# Altium PCB PCBV3.PcbDoc (part 3 of 3)
Units mm, origin at the board's own origin, x right, y up, seen from the top; angles counter-clockwise.
Board outline 120.86 x 117.6 mm, 2 copper layers (L1_Top, L14_Bot), stack 1.671 mm thick; 192 components, 120 nets, 529 pads, 244 vias.
Unrouted connection lines stored in the file: 121.
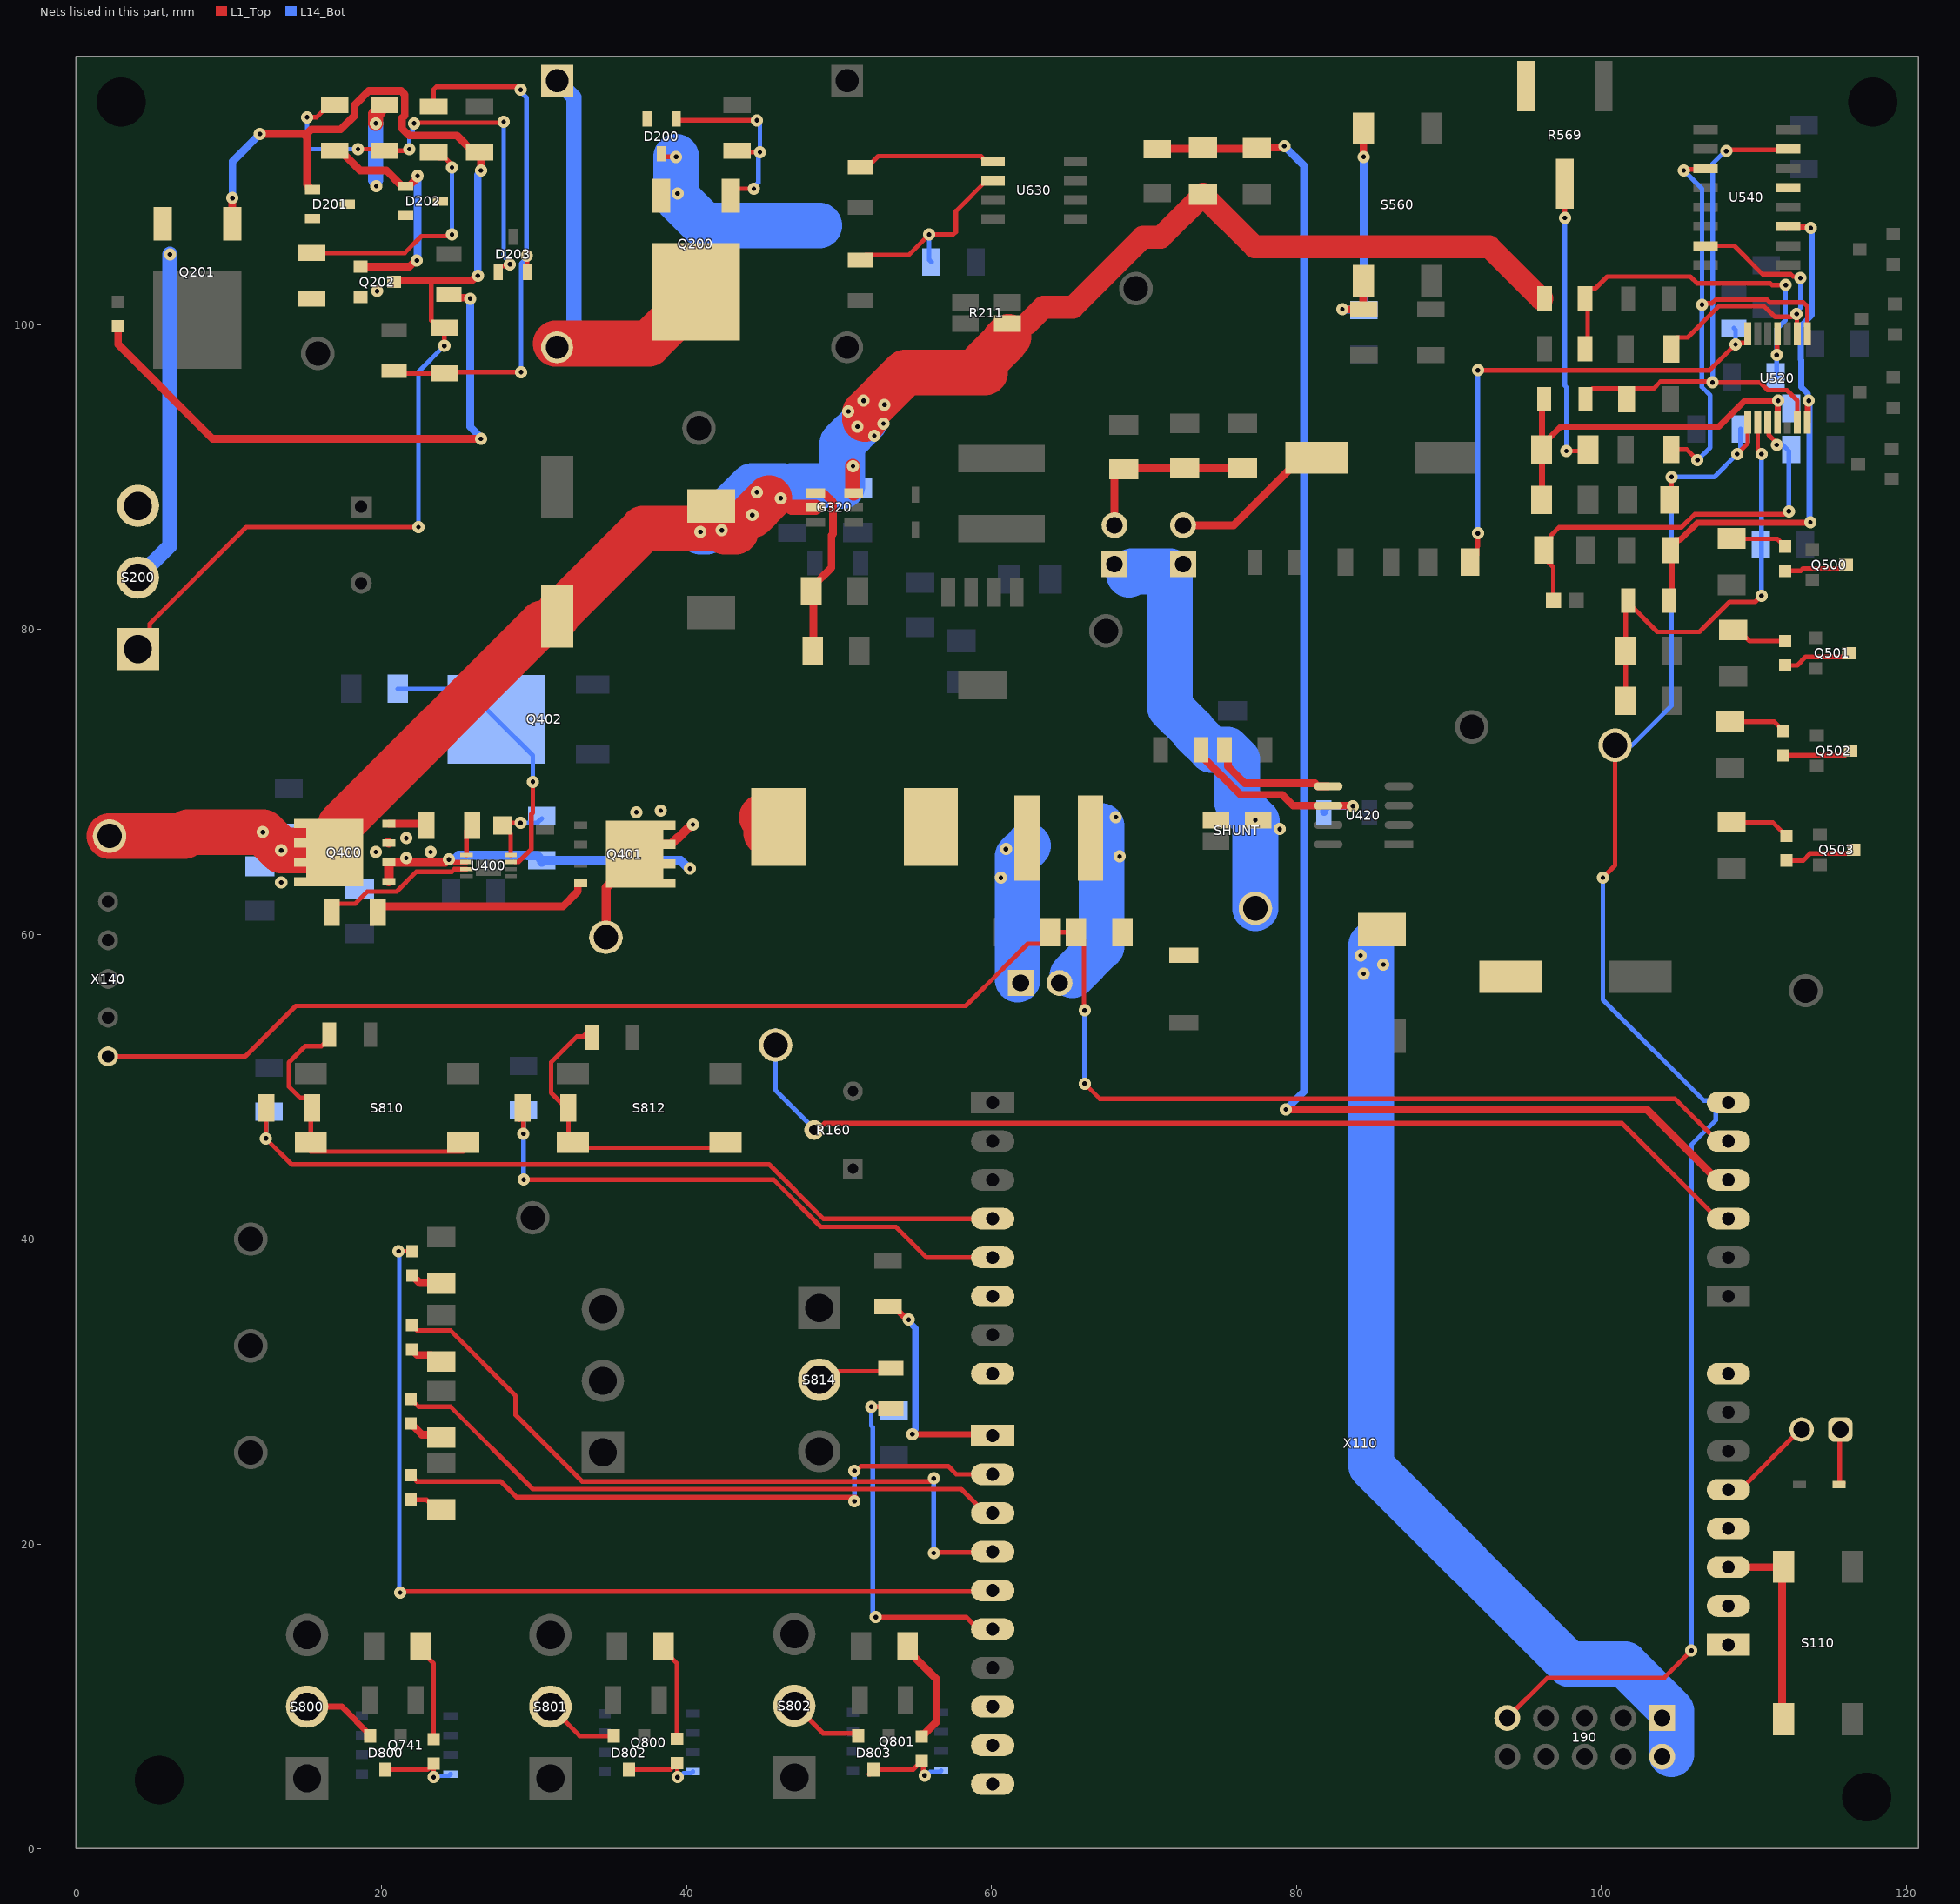
[diagram p3: the nets of this part, all layers, seen from the top]

## Via types
v1: diameter 0.8, hole 0.3, L1_Top to L14_Bot, tented both sides, 244 vias

## Nets (pads, with @x,y where several pads share a name; then routed paths per layer and width w, separated by ;. In a path a pad name is that pad's centre, name@x,y a point inside that pad or via, vN(x,y) a via of type N, cw(c..) or ccw(c..) an arc to the next point about the centre after c; other vN are vias at no path point) (continued)
NetC500_1: C500.1 R507.2 S560.1 S560.2 | length 17.7
  L1_Top w0.5: v1(83,101) 83.006,100.994 84.399,100.994 R507.2@84.405,100.988 ; S560.1@83.927,102.063 S560.1@83.927,102.7 ; R507.2@84.03,100.988 R507.2@84.405,100.988 ; S560.1@84.377,102.863 84.377,101.015 R507.2@84.405,100.988 ; S560.2@84.377,112.863 84.389,112.851 84.389,111.011 v1(84.4,111)
  L14_Bot w0.5: v1(83,101) 83.031,100.969 84.374,100.969 C500.1@84.405,100.938 84.405,110.995 v1(84.4,111)
NetC506_1: C506.1 R506.2 U520.7 | length 32.9
  L1_Top w0.3: R506.2@91.379,84.41 91.854,84.885 91.854,85.404 91.9,85.45 v1(91.9,86.3) ; v1(91.9,97) 107.1,97 108.89,98.79 109.527,98.79 109.602,98.865 U520.7@109.602,99.39
  L14_Bot w0.3: v1(91.9,86.3) v1(91.9,97) ; C506.1@108.683,99.762 108.8,99.645 v1(108.8,98.7)
NetC521_2: C521.2 R510.1 R511.2 U520.4 | length 25.2
  L1_Top w0.3: R510.1@98.926,101.7 98.926,102.051 99.254,102.379 99.604,102.379 100.375,103.15 105.829,103.15 106.279,102.7 111.087,102.7 111.192,102.595 v1(112.087,102.595) ; R511.2@99.1,98.4 R510.1@99.1,101.7 ; v1(111.5,98) 111.526,98.026 111.526,99.364 U520.4@111.552,99.39
  L14_Bot w0.3: C521.2@111.436,96.554 111.5,96.618 v1(111.5,98) 111.5,99.7 112.083,100.283 112.083,102.591 v1(112.087,102.595)
NetC600_1: C600.1 R611.1 U420.6 | length 13.9
  L1_Top w0.5: R611.1@73.726,72.1 73.726,71.749 76.325,69.15 79.067,69.15 79.782,68.435 U420.6@82.084,68.435 82.086,68.433 83.667,68.433 v1(83.7,68.4)
  L14_Bot w0.5: C600.1@81.8,68 81.8,68.15 82.05,68.4 v1(83.7,68.4)
NetC630_2: C630.2 R636.1 U630.6 | length 13.5
  L1_Top w0.3: R636.1@51.4,104.226 51.728,104.554 54.554,104.554 v1(55.9,105.9) 57.474,105.9 57.65,106.076 57.65,107.434 59.65,109.435 U630.6@60.088,109.435
  L14_Bot w0.3: v1(55.9,105.9) 55.9,104.25 C630.2@56.05,104.1
NetC710_2: C710.2 C711.2 C712.2 J710.2 | length 11.9
  L1_Top w0.5: J710.2@68.06,86.83 68.06,90.51 68.11,90.56 75.81,90.56 C711.2@76.097,90.847
NetC715_1: C715.1 J715.2 | length 11.6
  L1_Top w0.3: C715.1@80.31,90.66 C715.1@81.31,90.66
  L1_Top w0.5: J715.2@72.56,86.83 75.88,86.83 80.31,91.26 C715.1@81.31,91.26
NetD112_1: D112.1 P110.1 | length 3.9
  L1_Top w0.3: P110.1@115.67,27.5 115.635,27.465 115.635,23.935 D112.1@115.6,23.9 115.775,23.9 D112.1@115.875,24
NetD200_2: D200.2
NetD201_2: D201.2
NetD202_2: D202.2
NetD210_1: D210.1 R210.2 | length 38.6
  L1_Top w0.5: D210.1@2.7,99.9 2.7,98.7 8.9,92.5 v1(26.5,92.5) ; R210.2@24.399,101.975 24.617,101.757 25.743,101.757 v1(25.8,101.7)
  L14_Bot w0.5: v1(25.8,101.7) 25.8,93.281 26.5,92.581 v1(26.5,92.5)
NetD502_1: D502.1 R552.2 | length 3.7
  L1_Top w0.3: R552.2@108.64,79.94 109.015,79.94 109.715,79.24 D502.1@112.04,79.24
NetD502_2: D502.2 Q501.3 | length 4.5
  L1_Top w0.3: D502.2@112.04,77.64 112.84,77.64 113.4,78.2 116,78.2 Q501.3@116.24,78.44
NetD503_1: D503.1 R553.2 | length 3.7
  L1_Top w0.3: R553.2@108.44,73.94 111.34,73.94 D503.1@111.94,73.34
NetD503_2: D503.2 Q502.3 | length 4.5
  L1_Top w0.3: D503.2@111.94,71.74 115.99,71.74 116.29,72.04 Q502.3@116.34,72.04
NetD504_1: D504.1 R554.2 | length 4
  L1_Top w0.3: R554.2@108.54,67.34 111.24,67.34 D504.1@112.14,66.44
NetD504_2: D504.2 Q503.3 | length 4.7
  L1_Top w0.3: D504.2@112.14,64.84 113.24,64.84 113.7,65.3 116.3,65.3 Q503.3@116.54,65.54
NetD550_1: D550.1 R551.2 | length 3.7
  L1_Top w0.3: R551.2@108.54,85.94 111.54,85.94 D550.1@112.04,85.44
NetD550_2: D550.2 Q500.3 | length 4.2
  L1_Top w0.3: D550.2@112.04,83.84 113.06,83.84 113.22,84 115.8,84 Q500.3@116.04,84.24
NetD741_1: D741.1 R800.2 | length 6.5
  L1_Top w0.3: R800.2@22.521,13.281 22.521,13.031 23.404,12.147 D741.1@23.404,7.196
NetD741_2: D741.2 D800.3 Q741.4 | length 5.4
  L1_Top w0.3: D800.3@20.246,5.2 23.007,5.2 D741.2@23.404,5.596 23.402,5.594 23.402,4.702 v1(23.4,4.7)
  L14_Bot w0.3: v1(23.4,4.7) 23.496,4.796 24.394,4.796 Q741.4@24.494,4.895
NetD801_1: D801.1 R801.2 | length 2.2
  L1_Top w0.3: D801.1@21.9,22.9 22.925,22.9 23.525,22.3 R801.2@23.9,22.3
NetD802_3: D802.3 D804.2 Q800.4 | length 5.5
  L1_Top w0.3: D802.3@36.206,5.15 D802.3@36.206,5.2 38.937,5.2 D804.2@39.364,5.627 39.382,5.609 39.382,4.718 v1(39.4,4.7)
  L14_Bot w0.3: v1(39.4,4.7) 39.535,4.7 39.795,4.96 40.3,4.96 Q800.4@40.4,5.06
NetD803_3: D803.3 D805.2 Q801.4 | length 6.1
  L1_Top w0.3: D803.3@51.956,4.9 52.006,4.9 52.256,5.15 D803.3@52.256,5.2 54.852,5.2 D805.2@55.414,5.762 55.507,5.67 55.507,4.893 v1(55.6,4.8)
  L14_Bot w0.3: v1(55.6,4.8) 55.735,4.8 55.965,5.03 56.6,5.03 Q801.4@56.7,5.13
NetD804_1: D804.1 R802.2 | length 6.4
  L1_Top w0.3: R802.2@38.481,13.281 38.481,13.031 39.364,12.147 D804.1@39.364,7.227
NetD805_1: D805.1 R803.2 | length 7
  L1_Top w0.5: R803.2@54.481,13.135 54.481,13.031 56.4,11.112 56.4,8.348 55.564,7.512 55.41,7.512 D805.1@55.356,7.459
NetD806_1: D806.1 R804.2 | length 2.3
  L1_Top w0.5: D806.1@21.9,27.9 22.63,27.17 23.63,27.17 R804.2@23.8,27
NetD807_1: D807.1 R805.2 | length 2.2
  L1_Top w0.5: D807.1@22,32.719 22.319,32.4 23.225,32.4 23.625,32 R805.2@23.9,32
NetD808_1: D808.1 R806.2 | length 2.1
  L1_Top w0.5: D808.1@22,37.6 22.5,37.1 R806.2@23.9,37.1
NetG320_4: G320.4 R321.1 R332.2 | length 11.7
  L1_Top w0.5: R332.2@48.312,78.662 48.312,82.438 48.25,82.5 48.25,82.8 49.5,84.05 49.5,86.164 49.6,86.264 49.6,88.341 49.041,88.9 48.5,88.9 G320.4@48.45,88.95
NetJ421_1: J421.1 L420.2 L421.1 | length 9.3
  L1_Top w3: L420.2@56.008,67.027 L420.2@56.158,67.177
  L14_Bot w3: J421.1@61.7,57.016 61.7,65.1 62.4,65.8
  other v1: 60.6,63.7 60.936,65.584
NetJ421_2: J421.2 L421.2 SHUNT.1 | length 10.6
  L14_Bot w3: 65.3,57.3 67.2,59.2 67.2,67.1
  other v1: 68.4,65.1 68.153,67.676
NetP110_2: P110.2 X110.5A | length 6.4
  L1_Top w0.3: X110.5A@108.33,23.552 109.112,23.552 113.06,27.5 P110.2@113.13,27.5
NetQ400_4: Q400.4 R400.1 | length 2.7
  L1_Top w0.5: Q400.4@20.637,67.254 Q400.4@20.462,67.254 22.823,67.254 R400.1@22.925,67.152
NetQ401_4: Q401.4 R401.1 | length 14.5
  L1_Top w0.5: R401.1@19.726,61.449 19.726,61.549 20.001,61.824 31.875,61.824 32.863,62.812 32.863,63.344 Q401.4@33.038,63.344
NetQ402_2: Q402.2 R402.2 U400.7 | length 18.3
  L1_Top w0.3: U400.7@28.704,64.739 28.971,64.739 29.8,65.567 29.8,67.873 29.9,67.973 v1(29.9,70)
  L14_Bot w0.3: R402.2@21.05,76.1 25.52,76.1 Q402.2@27.52,74.1 29.9,71.72 v1(29.9,70)
NetR112_2: R112.2 X110.1C | length 14.8
  L1_Top w0.4: R112.2@53.2,35.579 53.575,35.579 v1@54.529,34.624 ; v1(54.8,27.2) 59.978,27.2 X110.1C@60.07,27.108
  L14_Bot w0.4: v1(54.554,34.712) 54.554,34.604 55,34.158 55,27.508 54.8,27.308 v1(54.8,27.2)
NetR204_2: R204.2 R205.2 | length 15.8
  L1_Top w0.3: R204.2@15.399,104.701 21.501,104.701 22.6,105.8 24.173,105.8 24.179,105.805 24.504,105.805 v1(24.599,105.901) ; R205.2@23.4,111.3 23.775,110.925 24.15,110.925 24.504,110.571 24.504,110.396 v1(24.6,110.3)
  L14_Bot w0.3: v1(24.599,105.901) v1@24.6,110.3
NetR400_2: R400.2 U400.1 | length 2.1
  L1_Top w0.3: U400.1@25.552,65.186 25.552,66.779 R400.2@25.925,67.152
NetR401_2: R401.2 U400.3 | length 10.2
  L1_Top w0.3: R401.2@16.8,61.249 16.8,61.624 17.175,61.999 18.25,61.999 19.051,62.8 20.969,62.8 22.269,64.1 24.59,64.1 24.761,64.271 U400.3@25.552,64.271
NetR561_1: R561.1 R569.2 | length 19
  L1_Top w0.3: v1(97.6,107) R569.2@97.6,109.24 ; v1(97.7,91.7) 99.025,91.7 R561.1@99.125,91.8
  L14_Bot w0.3: v1(97.6,107) 97.6,100.045 97.6,95.99 97.7,95.89 v1(97.7,91.7)
NetR569_3: R569.3
NetR610_1: R610.1 U420.5 | length 8.3
  L1_Top w0.5: R610.1@75.274,72.1 75.502,71.872 75.502,70.998 76.6,69.9 81.205,69.9 81.4,69.705 U420.5@82.084,69.705
NetR635_1: R635.1 U630.5 | length 9.1
  L1_Top w0.3: R635.1@51.4,110.326 51.728,110.654 52.154,110.654 52.554,111.054 59.301,111.054 59.65,110.705 U630.5@60.088,110.705
NetR810_2: R810.2 R811.1 S810.1 S810.2 | length 19.8
  L1_Top w0.3: R811.1@15.312,49.012 15.064,49.26 14.64,49.26 13.9,50 13.9,51.585 14.965,52.65 16.025,52.65 16.4,53.025 R810.2@16.4,53.4 ; R811.1@15.439,48.216 15.439,47.841 15.339,47.741 15.339,45.741 S810.1@25.339,45.741 ; R810.2@16.439,53.566 R810.2@16.439,53.941
NetR812_2: R812.2 R813.1 S812.1 S812.2 | length 19.4
  L1_Top w0.3: R812.2@33.5,53.576 33.225,53.301 32.801,53.301 31.1,51.6 31.1,49.592 32.239,48.452 32.239,48.077 32.239,46.291 32.539,45.991 S812.1@42.539,45.991
NetR814_1: R814.1 S814.2 | length 5
  L1_Top w0.3: S814.2@48.7,31 49.025,31.325 53.025,31.325 R814.1@53.4,31.7
NetS200_3: S200.3
NetU540_13: U540.13
NetX100_1: Q200.2 X100.1 X100.2 | length 29.3
  L1_Top w1: X100.1@31.5,116 X100.1@31.6,115.9
  L1_Top w3: X100.2@31.4,98.75 37.5,98.75 40.6,101.85 Q200.2@40.6,102.15
  L14_Bot w1: X100.2@31.5,98.5 31.5,98.537 32.599,99.636 32.599,114.901 X100.1@31.5,116
NetX110_1A: X110.1A
NetX110_2A: X110.2A
NetX110_4A: X110.4A
NetX110_6D: X110.6D
NetX110_8A: X110.8A
NetX110_8C: X110.8C
NetX110_8D: X110.8D
NetX110_9C: X110.9C
NetX110_10C: X110.10C
NTC_ext: 190.9 C533.2 R532.1 TP532.1 U520.8 X110.6B | length 108.6
  L1_Top w0.3: 190.9@93.82,8.582 96.438,11.2 104.1,11.2 v1(105.9,13) ; v1(100.1,63.718) 100.9,64.518 TP532.1@100.9,72.4 ; R532.1@104.475,88.5 104.6,88.625 v1(104.6,90) ; v1(108.9,91.5) 109.602,92.202 U520.8@109.602,93.59
  L14_Bot w0.3: v1(100.1,63.718) 100.1,55.7 106.712,49.088 107.88,49.088 X110.6B@108.015,48.952 ; TP532.1@100.9,71.886 TP532.1@100.9,72.4 ; TP532.1@101.991,72.391 104.6,75 104.6,89 104.604,89.004 v1@104.604,89.996 ; v1(104.6,90) v1@104.604,89.996 ; v1(105.9,13) 105.9,14.586 ; 105.9,14.592 105.9,46.194 107.497,47.791 107.497,48.434 X110.6B@108.015,48.952 ; X110.6B@108.33,48.952 X110.6B@108.015,48.952 ; C533.2@109.133,93.138 109.133,91.868 108.9,91.635 v1(108.9,91.5) 107.4,90 104.609,90 v1@104.604,89.996
NTC_Ext_Thresh: C530.2 R500.1 R502.2 R528.1 U520.9 | length 28.8
  L1_Top w0.3: R502.2@101.6,75.3 101.6,78.6 101.6,81.9 103.671,79.829 106.429,79.829 108.4,81.8 110.074,81.8 110.474,82.2 v1(110.5,82.2) ; U520.9@110.252,93.59 110.252,91.883 110.5,91.635 v1(110.5,91.5)
  L14_Bot w0.3: v1(110.5,82.2) v1(110.5,91.5)
NTC_Int: C561.2 NTC.2 R562.1 U520.10 | length 27.9
  L1_Top w0.3: NTC.2@96.85,81.9 96.85,84.075 96.1,84.825 96.1,85.575 96.325,85.575 96.7,85.95 96.7,86.175 97.225,86.7 105.261,86.7 106.115,87.554 111.969,87.554 112.165,87.75 v1(112.3,87.75) ; U520.10@110.902,93.59 110.977,93.515 110.977,92.758 111.5,92.235 v1(111.5,92.1)
  L14_Bot w0.3: v1(111.5,92.1) 111.887,92.1 112.3,91.687 v1(112.3,87.75)
NTC_Int_Thresh: C560.2 R560.1 R561.2 R564.1 U520.11 | length 25
  L1_Top w0.4: R560.1@96.1,88.5 R561.2@96.1,91.8 ; R564.1@96.1,95.1 R561.2@96.1,91.8 ; U520.11@111.552,93.59 111.576,93.614 111.576,94.976 v1(111.6,95) 109.4,95 107.7,93.3 97.325,93.3 96.1,92.075 R561.2@96.1,91.8
Ov_Gate: D202.1 Q202.1 R203.1 | length 16.2
  L1_Top w0.5: R203.1@16.9,111.4 17.275,111.4 18.562,110.113 20.287,110.113 21.299,109.101 21.699,109.101 21.749,109.051 22.293,109.595 22.293,109.693 v1(22.35,109.75) ; Q202.1@18.599,103.801 21.82,103.801 22.219,104.2 v1(22.3,104.2)
  L14_Bot w0.5: v1(22.3,104.2) 22.35,104.25 v1(22.35,109.75)
Overcurr: R501.1 U520.1 U540.3 | length 32.6
  L1_Top w0.3: R501.1@104.6,91.8 105.6,91.8 v1(106.3,91.1) ; v1(105.4,110.1) 105.473,110.173 106.767,110.173 U540.3@106.84,110.245 ; v1(106.6,101.3) 106.696,101.396 107.259,101.396 107.514,101.65 110.85,101.65 111.055,101.445 113.255,101.445 113.502,101.198 U520.1@113.502,99.39
  L14_Bot w0.3: v1(105.4,110.1) 106.6,108.9 v1(106.6,101.3) 106.584,101.284 106.584,95.909 107.133,95.36 107.133,91.933 v1(106.3,91.1)
Overtemp_Ext: R527.1 R528.2 U520.14 U540.11 | length 36.8
  L1_Top w0.4: R528.2@104.6,81.9 104.6,85.575 104.875,85.85 105.084,85.85 105.134,85.9 105.2,85.9 106.3,87 113.677,87 v1(113.7,87.023) ; U540.11@111.74,106.435 U540.11@112.24,106.435 ; U540.11@112.14,106.335 U540.11@112.24,106.435 ; U520.14@113.502,93.59 113.527,93.615 113.527,94.927 v1(113.6,95) ; v1(113.734,106.331) 113.682,106.383 112.292,106.383 U540.11@112.24,106.435
  L14_Bot w0.4: v1(113.7,87.023) 113.65,87.073 113.65,94.95 113.523,95.077 113.523,95.477 113.1,95.9 113.1,97.677 113.083,97.694 113.083,99.883 113.8,100.6 v1@113.8,106.3
Overtemp_Int: R564.2 R565.1 U520.13 U540.15 | length 35.7
  L1_Top w0.3: R564.2@99.1,95.518 99.1,95.6 99.25,95.75 99.376,95.75 99.426,95.8 101.65,95.8 103.426,95.8 103.876,96.25 107.233,96.25 v1(107.284,96.199) 110.401,96.199 110.9,95.7 112.159,95.7 112.852,95.007 U520.13@112.852,93.59 ; v1(108.19,111.379) 108.268,111.458 112.182,111.458 U540.15@112.24,111.515
  L14_Bot w0.3: v1(107.284,96.199) 107.3,96.214 107.3,110.56 108.119,111.379 v1(108.19,111.379)
Pwr_Gate: D201.1 Q201.1 Q202.3 R209.2 R214.2 S200.1 | length 83.5
  L1_Top w0.3: S200.1@3.999,78.701 4.763,79.465 4.763,80.363 11.113,86.713 v1(22.399,86.713) ; 23.249,102.9 23.249,100.276 23.725,99.8 R214.2@24.1,99.8 v1(24.1,98.6)
  L1_Top w0.5: Q201.1@10.179,106.601 10.19,106.612 10.19,108.29 v1(10.2,108.3) ; v1(12,112.5) 14.875,112.5 14.975,112.4 ; D201.1@15.449,108.851 15.249,108.851 15.199,108.901 15.199,109.101 15.1,109.201 15.1,112.275 14.975,112.4 ; Q202.3@20.799,102.801 20.898,102.9 23.249,102.9 25.919,102.9 26.219,103.2 v1(26.3,103.2) ; v1(26.5,110.1) 26.5,111.2 R209.2@26.4,111.3 26.025,111.3 24.925,112.4 21.786,112.4 21.317,112.869 21.317,113.526 21.5,113.709 21.5,115.091 21.266,115.325 19.134,115.325 18.212,114.403 18.212,113.722 17.291,112.8 15.375,112.8 14.975,112.4
  L14_Bot w0.3: v1@22.399,86.6 v1(22.399,86.713) 22.399,96.899 v1(24.1,98.6)
  L14_Bot w0.5: v1(10.2,108.3) 10.2,110.7 v1(12,112.5) ; v1(26.3,103.2) 26.3,109.819 26.5,110.019 v1(26.5,110.1)
Reset: S110.3 S110.4 X110.3A | length 13.5
  L1_Top w0.5: X110.3A@108.33,18.472 111.815,18.472 111.85,18.437 111.85,8.6 S110.4@111.95,8.5
RevPolGate: D200.1 Q200.1 R200.2 | length 13.3
  L1_Top w0.3: D200.1@39.3,113.5 39.4,113.4 v1(44.6,113.4) ; Q200.1@42.88,108.45 42.88,108.451 43.33,108.901 v1(44.399,108.901) ; R200.2@43.3,111.4 43.4,111.3 v1(44.8,111.3)
  L14_Bot w0.3: v1(44.399,108.901) 44.399,109.022 44.704,109.327 44.704,111.204 v1(44.8,111.3) 44.8,113.065 44.6,113.265 v1(44.6,113.4)
Switch1: D800.2 S800.2 | length 5
  L1_Top w0.4: S800.2@15.096,9.322 17.373,9.322 19.246,7.45 D800.2@19.246,7.4
Switch2: D802.2 S801.2 | length 4.9
  L1_Top w0.3: S801.2@31.056,9.322 32.978,7.4 D802.2@35.206,7.4
Switch3: D803.2 S802.2 | length 5.1
  L1_Top w0.3: S802.2@47.056,9.469 48.945,7.581 D803.2@51.367,7.581
TL431ref: D203.2 R205.1 R212.2 R214.1 | length 35.3
  L1_Top w0.3: R212.2@20.8,96.8 R214.1@24.1,96.8 24.178,96.878 v1(29.132,96.878) ; R205.1@23.4,114.3 23.4,115.424 23.576,115.6 28.898,115.6 29.098,115.4 v1(29.1,115.4) ; v1(29.499,104.501) 29.524,104.476 29.524,103.476 D203.2@29.549,103.451
  L14_Bot w0.3: v1(29.1,115.4) 29.1,115.265 29.499,114.865 29.499,104.366 29.132,103.999 v1(29.132,96.878)
Undervolt: R509.1 U520.2 U540.7 | length 20.8
  L1_Top w0.3: R509.1@104.6,98.4 104.6,98.775 104.975,99.15 105.65,99.15 107.7,101.2 110.664,101.2 110.864,101 110.89,101 111.39,100.5 112.476,100.5 112.665,100.689 v1(112.8,100.689) 112.826,100.663 112.826,99.416 U520.2@112.852,99.39 ; U540.7@106.84,105.165 108.713,105.165 110.583,103.295 112.423,103.295 112.577,103.141 112.954,103.141 v1(113.05,103.045)
  L14_Bot w0.3: v1@112.783,100.727 112.783,100.807 113.05,101.074 v1(113.05,103.045)
UserBtn1: C811.2 R811.2 X110.4D | length 53.7
  L1_Top w0.3: R811.2@12.439,48.6 12.4,48.561 12.4,46.577 14.077,44.9 45.4,44.9 48.968,41.332 X110.4D@60.07,41.332
  L14_Bot w0.3: v1(12.4,46.6) 12.4,48.15 C811.2@12.6,48.35
UserBtn2: C813.2 R813.2 X110.5D | length 39.1
  L1_Top w0.3: R813.2@29.003,47.841 R813.2@29.239,48.077 ; R813.2@29.239,48.6 29.289,48.55 v1(29.289,46.906) ; v1(29.3,43.9) 45.7,43.9 48.8,40.8 53.717,40.8 55.725,38.792 X110.5D@60.07,38.792
  L14_Bot w0.3: v1@29.289,43.911 v1(29.289,46.906) C813.2@29.289,48.077
UserLED1: D801.2 X110.2C | length 41.2
  L1_Top w0.3: D801.2@21.9,24.5 22.3,24.1 27.8,24.1 28.825,23.075 v1@51.1,23.075 ; v1(51,24.8) 51.135,24.8 51.435,25.1 57.152,25.1 57.684,24.568 X110.2C@60.07,24.568
  L14_Bot w0.3: v1(51,22.8) v1(51,24.8)
UserLED2: D806.2 X110.3C | length 41.3
  L1_Top w0.3: D806.2@21.9,29.5 22.4,29 24.5,29 29.9,23.6 58,23.6 59.572,22.028 X110.3C@60.07,22.028
UserLED3: D807.2 X110.4C | length 48.1
  L1_Top w0.3: D807.2@21.961,34.359 22.319,34 24.5,34 28.764,29.736 28.764,28.466 33.13,24.1 v1@56.3,24.1 ; v1@56.244,19.444 60.026,19.444 X110.4C@60.07,19.488
  L14_Bot w0.3: v1(56.2,19.4) v1(56.2,24.3)
UserLED4: D808.2 X110.5C | length 62.3
  L1_Top w0.3: v1(21.1,39.2) D808.2@22,39.2 ; v1(21.2,16.8) 21.274,16.874 59.996,16.874 X110.5C@60.07,16.948
  L14_Bot w0.3: v1(21.1,39.2) 21.15,39.15 21.15,16.85 v1(21.2,16.8)
UserPot1: R160.2 TP160.1 X110.3B | length 70.2
  L1_Top w0.3: R160.2@48.489,47.6 48.721,47.368 48.799,47.368 49.031,47.6 101.351,47.6 107.618,41.332 X110.3B@108.33,41.332
  L14_Bot w0.3: TP160.1@45.827,53.685 TP160.1@45.827,52.727 45.827,49.763 R160.2@48.43,47.16
UserSw: C814.2 R814.2 X110.6C | length 25
  L1_Top w0.3: v1(52.1,29) 53.1,29 R814.2@53.4,28.7 ; v1@52.3,15.2 58.317,15.2 59.109,14.408 X110.6C@60.07,14.408
  L14_Bot w0.3: v1(52.1,29) 52.1,27.75 52.2,27.65 52.2,15.536 52.401,15.335 v1(52.401,15.2) ; v1@52.2,28.9 52.3,29 53.35,29 C814.2@53.6,28.75
VB_Buck: C402.2 D400.1 U400.8 | length 5
  L1_Top w0.3: U400.8@28.448,65.186 28.448,66.601 D400.1@27.9,67.149 28.051,67.3 v1(29.1,67.3)
  L14_Bot w0.3: v1(29.1,67.3) 30.201,67.3 C402.2@30.5,67.599
Vin: C212.1 C213.2 C220.1 C320.2 C321.2 C404.2 D211.1 G320.3 G320.5 Q400.5 Q400.6 Q400.7 Q400.8 Q400.9 R211.1 R220.2 R510.2 TP211.1 | length 120.9
  L1_Top w1: 46.904,88 G320.5@48.45,88 ; v1(50.9,90.7) 50.9,89 G320.3@50.95,88.95
  L1_Top w1.5: 62.333,100.06 63.408,101.135 65.336,101.135 69.923,105.722 71.097,105.722 R220.2@73.86,108.485 ; R220.2@73.86,108.56 R220.2@73.86,108.485 ; R510.2@96.1,101.7 96.025,101.7 92.633,105.093 77.252,105.093 R220.2@73.86,108.485
  L1_Top w3: TP211.1@2.139,66.441 7.04,66.441 7.299,66.7 v1(12.2,66.7) v1(13.4,65.5) 16.76,65.5 Q400.9@16.912,65.349 ; Q400.9@17.287,67.187 30.5,80.4 C212.1@31.05,80.4 ; C212.1@31.5,80.85 31.5,80.95 37.15,86.6 42.2,86.6 v1(42.3,86.5) ; v1@41.1,86.6 41.5,87 41.9,87 ; v1@42.3,86.6 v1@42.5,86.4 ; v1@42.35,86.55 v1@42.5,86.4 ; 43.2,86.4 v1@42.5,86.4 ; v1(44.3,87.5) 45.4,88.6 ; 51.7,93.8 51.7,94.2 54.35,96.85 59.55,96.85 59.55,97.567 60.81,98.827 60.81,98.91 61.1,99.2
  L14_Bot w3: v1(40.9,86.4) 41.298,86.4 44.298,89.4 C320.2@46.308,89.4 ; C320.2@46.9,89.4 48.781,89.4 ; 50.2,89.4 50.2,92.2 51.7,93.7
  other v1: 13.4,63.4 46.176,88.6 44.6,89 52.3,92.7 51.2,93.3 52.9,93.5 50.6,94.3 52.969,94.741 51.6,95
Vin_Meas: C221.2 R220.1 R221.2 X110.4B | length 103
  L1_Top w0.5: C221.2@70.86,111.51 70.885,111.535 73.86,111.535 76.835,111.535 R221.2@76.86,111.56 ; R221.2@77.4,111.6 79.019,111.6 79.119,111.7 v1(79.2,111.7) ; v1(79.3,48.5) 102.991,48.5 107.618,43.872 X110.4B@108.33,43.872
  L14_Bot w0.5: v1(79.2,111.7) 80.5,110.4 80.5,49.7 v1(79.3,48.5)
Vin_RevPol: D200.3 D201.3 D202.3 Q200.3 Q201.3 Q202.2 R202.2 R204.1 S200.2 | length 42.3
  L1_Top w0.3: S200.2@3.999,83.401 S200.2@3.999,84.071 ; Q201.3@5.363,106.857 Q201.3@5.619,106.601 ; D200.3@38.35,111.2 38.35,111.15 38.5,111 v1(39.3,111)
  L1_Top w1: v1(19.6,113.2) 19.6,113.8 19.8,114 19.8,114.375 19.825,114.4 R202.2@20.2,114.4
  L14_Bot w1: S200.2@3.999,83.401 6.1,85.502 v1(6.1,104.6) ; 19.6,109.5 v1(19.6,113.2)
  L14_Bot w3: v1(39.3,111) 39.3,108.7 v1(39.4,108.6) 39.4,108.259 41.157,106.501 48.699,106.501
  other v1: 19.69,102.193 19.632,109.075
Vout: 190.1 190.2 C700.2 C701.1 D730.1 D731.1 J710.1 J715.1 R721.2 SHUNT.2 TP431.1 | length 91.5
  L1_Top w0.5: R721.2@68.552,60.133 R721.2@68.696,59.99
  L14_Bot w3: 69,83.6 69.2,83.8 71.7,83.8 71.7,74.887 73.2,73.387 73.2,73.317 74.417,72.1 75.45,72.1 76.1,71.45 76.1,68.7 v1(77.3,67.5) ; TP431.1@77.3,61.7 v1(77.3,67.5) ; v1@77.4,67.4 v1(77.3,67.5) ; 84.9,59.3 84.9,25.1 97.9,12.1 101.529,12.1 104.6,9.029 190.2@104.6,6.2
  other v1: 84.4,57.4 85.7,58 84.2,58.6 78.9,66.9
Vout_Meas: R721.1 R722.2 X110.5B X140.5 | length 121.1
  L1_Top w0.3: X140.5@2.039,51.981 11.047,51.981 14.366,55.3 58.3,55.3 60.762,57.762 60.762,57.778 60.938,57.954 60.954,57.954 62.382,59.382 63.478,59.382 63.853,59.757 63.853,60.132 R722.2@63.878,60.132 65.551,60.132 66.054,59.629 66.054,55.046 v1(66.1,55) ; v1(66.1,50.2) 67.1,49.2 104.831,49.2 107.618,46.412 X110.5B@108.33,46.412
  L14_Bot w0.3: v1(66.1,50.2) v1(66.1,55)
VS_Buck: C402.1 L420.1 Q400.1 Q400.2 Q400.3 Q401.5 Q401.6 Q401.7 Q401.8 Q401.9 TP401.1 U400.2 | length 35.1
  L1_Top w0.3: v1(24.4,64.9) 24.535,64.9 24.707,64.729 U400.2@25.552,64.729
  L1_Top w0.6: Q400.3@20.412,66.034 Q400.3@20.462,65.984 ; Q400.1@20.462,63.444 Q400.2@20.462,64.714 ; Q400.2@20.587,64.714 21.6,64.714 24.159,64.714 24.346,64.9 v1(24.4,64.9) ; TP401.1@34.7,59.549 34.7,63.031 36.588,64.919 Q401.9@36.588,65.249 ; Q401.9@36.514,65.175 37.223,65.884 38.963,65.884 39.392,66.313 39.459,66.313 40.346,67.2 v1(40.4,67.2)
  L1_Top w3: L420.1@44.933,67.677 45.208,67.402 L420.1@45.208,66.627
  L14_Bot w0.6: v1(24.4,64.9) 24.438,64.938 24.794,64.938 25.029,65.173 29.549,65.173 29.572,65.15 30.2,65.15 C402.1@30.5,64.85 ; C402.1@30.5,64.729 30.621,64.85 39.596,64.85 40.146,64.3 v1(40.2,64.3)
  other v1: 21.6,65 19.6,65.4 23.2,65.4 21.6,66.3 36.7,68 38.3,68.1
Zener_20V: D203.1 R202.1 R203.2 | length 29.3
  L1_Top w0.3: v1(15.1,113.6) 15.726,113.601 16.525,114.4 R203.2@16.9,114.4 ; v1(18.432,111.51) 20.09,111.51 R202.1@20.2,111.4 21.7,111.4 v1(21.8,111.5) ; v1(22.117,113.2) 22.167,113.25 27.95,113.25 v1(28,113.3) ; D203.1@27.649,103.451 27.649,103.676 27.799,103.826 28.145,103.826 28.27,103.951 v1(28.405,103.951)
  L14_Bot w0.3: v1(15.1,113.6) 15.1,111.676 15.276,111.5 18.422,111.5 v1(18.432,111.51) ; v1(21.8,111.5) 21.8,112.35 22.021,112.571 22.021,113.104 v1(22.117,113.2) ; v1(28,113.3) 28,104.492 28.405,104.087 v1(28.405,103.951)
pads on no net: MP100. MP101. MP102. MP103.

## Polygon pours and split planes (outlines as drawn)
GND on L1_Top "GND_L01_P037" (solid, remove dead copper, pour order 37): -0.1,0 -0.1,117.6 120.7,117.6 120.7,0
Vin_RevPol on L1_Top "VIN_REVPOL_L01_P022" (solid, remove dead copper, pour order 22): 5,99.201 5,110.501 8.101,110.501 11,113.4 12.099,112.301 40.399,112.301 40.399,105.601 40.499,105.501 35.498,100.5 21.698,100.5 19.048,97.85 5.9,97.85
5V on L1_Top "5V_L01_P044" (solid, pour order 44): 56.4,83.4 57.6,84.6 59.6,84.6 59.7,84.5 59.7,77.9 56.3,77.9 56.3,81 55.5,81 55.5,81.2 55.5,81.9 55.8,81.9 56.4,82.6 56.4,82.7
VS_Buck on L1_Top "VS_BUCK_L01_P005" (solid, pour order 5): 20.9,63 18.8,62.9 18.686,67.1 24.8,67.1 25.4,66.5 25.3,66.4 25.3,64.492
Vin on L1_Top "VIN_L01_P040" (solid, pour order 40): 11.8,63 11.9,63.1 11.9,67.7 18.9,67.7 18.8,67.6 18.8,62.9
NetC210_1 on L1_Top "NETC210_1_L01_P027" (solid, remove dead copper, pour order 27): 5.1,96.501 8.999,92.601 8.999,87.76 32.099,88.039 32.099,91.451 41.8,95.3 45.711,100.587 5.1,100.364
NetJ421_2 on L1_Top "NETJ421_2_L01_P029" (solid, pour order 29): 64.8,72.7 70.9,72.7 75.6,68 75.6,66.8 72.3,66.8 68.9,63.4 64.5,63.4 64.5,72.4
Vout on L1_Top "VOUT_L01_P038" (solid, pour order 38): 76.6,68.05 76.6,66.95 77.55,66.95 78.4,66.1 80.6,66.1 80.6,66.6 79.1,68.1 79,68.1 78.95,68.05
NetX100_1 on L1_Top "NETX100_1_L01_P007" (solid, remove dead copper, pour order 7): 29.999,98.501 29.999,103.201 39.099,103.201 39.499,102.801 39.499,98.601 39.299,98.601
VS_Buck on L1_Top "VS_BUCK_L01_P000" (solid, remove dead copper, pour order 0): 43.747,62.517 43.008,63.044 34.566,63.044 35.508,72.417 38.747,72.417 39.747,72.417 52.547,72.417 52.547,60.917 51.847,60.217 46.047,60.217 45.647,60.617
NetJ421_1 on L1_Top "NETJ421_1_L01_P031" (solid, pour order 31): 64.55,72.7 64.55,63.2 53.45,63.2 53.45,72.6 53.35,72.7
Vout on L1_Top "VOUT_L01_P033" (solid, pour order 33): 96.1,56.15 92.1,56.15 69.151,58.11 68.027,59.233 68.027,61.033 74.433,61.033 76.6,63.2 77.9,61.9 96.1,61.9
5V on L14_Bot "5V_L02_P036" (solid, remove dead copper, pour order 36): -0.1,0 120.7,0 120.7,117.6 -0.1,117.6
VS_Buck on L14_Bot "VS_BUCK_L02_P025" (solid, pour order 25): 19.493,63.08 19.493,67.507 37.6,69 41.5,67.4 41.5,63.039
Vin_RevPol on L14_Bot "VIN_REVPOL_L02_P030" (solid, remove dead copper, pour order 30): 38.099,108.001 34.799,111.301 34.799,115.701 63.299,115.701 64.899,114.101 64.899,108.001 55.599,108.001 55.301,105.901 39.699,105.901
Vin on L14_Bot "VIN_L02_P035" (solid, pour order 35): 20.313,61.991 19.8,62.504 19.8,67.2 10.1,67.2 9.9,67 10.1,66.8 10.1,62.5

## Silkscreen, mask and mechanical layers (free items; w line width, h text height)
Top Overlay:
  drawing of 134 lines, arcs and shapes, not listed
  text "Reverse Polarity Protection" at 45,114.511 h2.3 r270
  text "Fault Reset" at 82.1,114.2 h1.7
  text "Vin / Measurement" at 68.3,113.8 h2
  text "Over-Voltage Protection" at 30.999,113.701 h2.3 r270
  text "LATCH" at 103.046,113.399 h1.7 r270
  text "Input Current Measurement" at 52.46,113.36 h2.3
  text "INT / NTC / Calibration" at 93.6,104.8 h1.7
  text "Current Sense Amplifier" at 54.7,104.739 h1.6
  text "Measured Input Current" at 71.023,101.037 h1.52
  text "Shunt resistor" at 53.7,96.985 h2
  text "Power Supply" at 45,93.56 h2.3
  text "Power" at 7.199,92.9 h2.3 r270
  text "On" at 0.799,89.901 h2.3
  text "5V6 Buck" at 45.5,89.7 h1.7
  text "Error Flags" at 105.54,88.94 h2 r270
  text "Safety  / Comparator" at 105.494,88.301 h1.7
  text "220uF" at 69.56,88.228 h1.5 r270
  text "3x 10uF" at 74.06,88.141 h1.5 r270
  text "Overcurrent" at 107.64,86.54 h2
  text "Undervolt" at 107.24,80.34 h2
  text "5V" at 66.4,78.9 h1.6 r270
  text "Inductor Current Measurement" at 70.3,76.506 h2.3
  text "Overtemp Ext" at 107.24,74.54 h2
  text "Off" at 0.799,73.901 h2.3
  text "5V LDO" at 54.814,73.4 h1.7
  text "NTC Ext" at 99.437,72.977 h1.52 r270
  text "Inductor Current" at 90.137,72.789 h1.52 r270
  text "Buck Switching" at 13.6,72.317 h2.3
  text "Current Sense Amplifier" at 79.074,70.7 h1.6
  text "PULL UP" at 13.843,68.274 h2
  text "PULL DOWN" at 32.016,68.218 h2
  text "Overtemp Int" at 107.24,68.14 h2
  text "Input Voltage" at 3.638,64.641 h2
  text "Current" at 10.8,64.3 h2 r270
  text "VOUT" at 76,61.3 h2 r270
  text "INPUT" at 3.574,61.217 h2
  text "GATE DRIVER" at 22.066,59.99 h2
  text "VS BUCK" at 36.117,59.091 h2
  text "IND." at 3.564,58.831 h2
  text "GND" at 3.613,56.253 h2
  text "Buttons and Switches" at 13.524,54.458 h2.3
  text "PWM" at 3.564,53.772 h2
  text "15uH" at 59.4,52.1 h1.6
  text "UserPot1" at 46.8,51.8 h2
  text "Vmeas" at 3.613,51.005 h2
  text "CNTRL 1" at 62,48.2 h1
  text "NTC EXT" at 99.6,48.2 h1
  text "CNTRL 2" at 62,45.639 h1
  text "VOUT" at 102.6,45.6 h1
  text "User Btn 2" at 32.039,43.441 h1.7
  text "User Btn 1" at 14.839,43.341 h1.7
  text "CNTRL 3" at 62,43.233 h1
  text "VIN" at 103.5,43.1 h1
  text "USER BTN1" at 62,40.6 h1
  text "USER POT1" at 97.7,40.6 h1
  text "Buck / Cntrl" at 31.3,40 h2
  text "BUCK CNTRL" at 27.8,39.7 h2 r270
  text "USER SW" at 42,39.4 h1.7 r270
  text "USER BTN2" at 62,38.3 h1
  text "IND. CURRENT" at 94.8,38.1 h1
  text "LED 4" at 15.261,37.3 h1.6
  text "OFF" at 45.4,37.262 h1.8
  text "Arduino" at 31.2,37.201 h1.5
  text "INP. CURRENT" at 94.8,35.6 h1
  text "BUCK CNTRL" at 62,33.1 h1
  text "LED 3" at 15.061,32.5 h1.6
  text "GND" at 103.6,27.8 h1
  text "LED 2" at 14.961,27.6 h1.6
  text "SHUTDOWN" at 62,26.4 h1
  text "GND" at 103.6,25.3 h1
  text "USER LED1" at 62,23.8 h1
  text "5V" at 104.3,22.7 h1
  text "LED 1" at 15.161,22.5 h1.6
  text "ON" at 45.4,22.486 h1.8
  text "External" at 31.2,21.8 h1.5
  text "USER LED2" at 62,21.2 h1
  text "USER LED3" at 62,18.7 h1
  text "RESET" at 101.6,17.8 h1
  text "Load1" at 8.396,17.681 h2.3 r270
  text "Load2" at 24.356,17.681 h2.3 r270
  text "Load3" at 40.356,17.681 h2.3 r270
  text "Load Resistor Switching" at 8.396,17.622 h2
  text "Reset" at 117.7,17.3 h2.3 r270
  text "USER LED4" at 62,16.3 h1
  text "ON" at 43.756,15.881 h1.8
  text "ON" at 11.796,15.822 h1.8
  text "ON" at 27.781,15.822 h1.8
  text "USER SW" at 62,13.7 h1
  text "GND" at 62,11.3 h1
  text "LEARNING PLATFORM / FOR / SWITCHING REGULATORS V3.0" at 7.6,9.175 h1.4 r90
  text "Lehrstuhl für Schaltungsentwurf" at 63.8,2.9 h4
  text "OFF" at 43.756,0.781 h1.8
  text "OFF" at 11.8,0.722 h1.8
  text "OFF" at 27.7,0.681 h1.8
Bottom Overlay:
  drawing of 10 lines, arcs and shapes, not listed
  text "CNTRL1" at 68,48.2 h1
  text "NTC_EXT" at 106.8,48.1 h1
  text "CNTRL2" at 68.2,45.7 h1
  text "VOut Meas" at 106.6,45.7 h1
  text "CNTRL3" at 68.1,43.1 h1
  text "VIn Meas" at 106.6,43.1 h1
  text "User Pot1" at 106.6,40.7 h1
  text "USER BTN1" at 70.6,40.6 h1
  text "USER BTN2" at 71,38.3 h1
  text "Ind Current" at 106.7,38.3 h1
  text "In Current" at 106.5,35.9 h1
  text "BUCK CNTRL" at 71.5,33 h1
  text "GND" at 106.7,28.2 h1
  text "SHUTDOWN" at 69.9,26.3 h1
  text "GND" at 106.7,25.6 h1
  text "USER LED1" at 70.5,23.8 h1
  text "5V" at 106.4,23.1 h1
  text "USER LED2" at 70.8,21.3 h1
  text "USER LED3" at 70.8,18.6 h1
  text "RESET" at 106.4,17.8 h1
  text "USER LED4" at 70.7,16.1 h1
  text "USER SW" at 69,13.7 h1
  text "GND" at 64.8,11.2 h1
  text "Lehrstuhl für Schaltungsentwurf" at 87,2.9 h4
  text "Power MOSFETs" at 43.7,0.4 h2
M1 (CMP_Body_Top):
  lines w0.001: 120.986,-10.9 129.1,-10.9 ; 121.483,-10.9 0,-10.9 0,115 0.01,115.01 4.039,115.01 129.139,115.01 129.139,114.241 129.139,-5.857
Top Assembly Text Top:
  text "MP102" at 125.54,112.34 h1.2 r270
  text "MP103" at 5.64,106.54 h1.2 r270
  text "X101" at 57.89,102.327 h1.2 r270
  text "S200" at 6.24,100.54 h1.2 r270
  text "TP102" at 116.84,96.84 h1.2 r270
  text "TP 630" at 49.84,91.54 h1.2 r270
  text "TP105" at 78.04,84.54 h1.2 r270
  text "D320" at 58.74,76.24 h1.2 r270
  text "TP211" at 26.74,68.34 h1.2 r270
  text "X103" at 12.04,63.64 h1.2
  text "S810" at 97.94,62.94 h1.2 r270
  text "TP532" at 73.54,61.14 h1.2
  text "S560" at 124.34,60.04 h1.2
  text "TP320" at 59.129,59.222 h1.2
  text "TP104" at 33.24,56.94 h1.2 r270
  text "S812" at 98.34,54.04 h1.2 r270
  text "TP160" at 126.34,52.14 h1.2
  text "X140" at 3.739,51.641 h1.2 r270
  text "S814" at 86.14,46.54 h1.2 r270
  text "TP103" at 80.94,43.64 h1.2 r270
  text "TP401" at 36.34,41.94 h1.2 r270
  text "JP421" at 14.74,41.04 h1.2
  text "X400" at 56.74,40.627 h1.2 r270
  text "JP122" at 36.54,34.34 h1.2 r270
  text "X808" at 70.429,32.863 h1.2
  text "X806" at 90.44,32.74 h1.2
  text "X805" at 82.54,32.64 h1.2
  text "X801" at 99.94,31.982 h1.2
  text "TP431" at 8.139,29.841 h1.2
  text "TP400" at 40.64,29.14 h1.2 r270
  text "S802" at 89.74,27.94 h1.2 r270
  text "S800" at 68.74,27.64 h1.2 r270
  text "S801" at 79.04,27.64 h1.2 r270
  text "X720" at 48.64,22.75 h1.2 r270
  text "R170" at 56.04,20.116 h1.2
  text "S110" at 126.24,19.54 h1.2
  text "X102" at 21.44,18.54 h1.2
  text "TP600" at 11.74,16.34 h1.2 r270
  text "JP710" at 34.74,16.34 h1.2 r270
  text "X105 (Solder Jumper)" at 56.14,15.198 h1.2 r270
  text "MP100" at 5.64,13.64 h1.2 r270
  text "TP100" at 49.755,12.808 h1.2 r270
  text "X150" at 66.84,12.364 h1.2 r270
  text "TP101" at 111.34,9.64 h1.2 r270
  text "MP101" at 125.84,9.14 h1.2 r270

## Text inside footprints (layer, text, board x,y; h text height)
C210: M13 (CMP_Body_OTL_Top) "-" at 18.361,82.187 h0.6 r270; M13 (CMP_Body_OTL_Top) "+" at 18.335,89.248 h0.6 r270
C212: M13 (CMP_Body_OTL_Top) "-" at 31.805,86.751 h0.6 r90; M13 (CMP_Body_OTL_Top) "+" at 31.779,82.992 h0.6 r90
C701: M13 (CMP_Body_OTL_Top) "-" at 99.951,56.895 h0.6; M13 (CMP_Body_OTL_Top) "+" at 96.192,56.921 h0.6
C715: M13 (CMP_Body_OTL_Top) "-" at 87.211,90.955 h0.6; M13 (CMP_Body_OTL_Top) "+" at 83.452,90.981 h0.6
D210: M13 (CMP_Body_OTL_Top) "K" at 3.005,100.014 h0.6 r90; M13 (CMP_Body_OTL_Top) "A" at 2.979,100.979 h0.6 r90; Top Overlay "K" at 3.1,98.5 h1 r90; Top Overlay "A" at 3.2,102.3 h1 r90
D502: M13 (CMP_Body_OTL_Top) "A" at 111.761,78.161 h0.6 r270; M13 (CMP_Body_OTL_Top) "K" at 111.735,79.126 h0.6 r270; Top Overlay "A" at 112.539,77.341 h1 r270; Top Overlay "K" at 112.539,80.141 h1 r270
D503: M13 (CMP_Body_OTL_Top) "A" at 111.661,72.261 h0.6 r270; M13 (CMP_Body_OTL_Top) "K" at 111.635,73.226 h0.6 r270; Top Overlay "A" at 112.539,71.241 h1 r270; Top Overlay "K" at 112.539,73.741 h1 r270
D504: M13 (CMP_Body_OTL_Top) "K" at 111.835,66.326 h0.6 r270; M13 (CMP_Body_OTL_Top) "A" at 111.861,65.361 h0.6 r270
D550: M13 (CMP_Body_OTL_Top) "A" at 111.761,84.361 h0.6 r270; M13 (CMP_Body_OTL_Top) "K" at 111.735,85.326 h0.6 r270; Top Overlay "A" at 112.356,83.278 h1 r270; Top Overlay "K" at 112.539,86.341 h1 r270
D741: M13 (CMP_Body_OTL_Top) "K" at 23.099,7.082 h0.6 r270; M13 (CMP_Body_OTL_Top) "A" at 23.124,6.117 h0.6 r270; Top Overlay "A" at 23.004,3.996 h1; Top Overlay "K" at 23.104,7.796 h1
D801: M13 (CMP_Body_OTL_Top) "A" at 22.179,23.979 h0.6 r90; M13 (CMP_Body_OTL_Top) "K" at 22.205,23.014 h0.6 r90; Top Overlay "A" at 21.6,25 h1; Top Overlay "K" at 21.6,21.4 h1
D804: M13 (CMP_Body_OTL_Top) "A" at 39.085,6.148 h0.6 r270; M13 (CMP_Body_OTL_Top) "K" at 39.06,7.113 h0.6 r270; Top Overlay "A" at 39.064,4.027 h1; Top Overlay "K" at 39.064,7.827 h1
D805: M13 (CMP_Body_OTL_Top) "K" at 55.11,7.248 h0.6 r270; M13 (CMP_Body_OTL_Top) "A" at 55.135,6.283 h0.6 r270; Top Overlay "K" at 55.114,8.162 h1; Top Overlay "A" at 55.114,4.162 h1
D806: M13 (CMP_Body_OTL_Top) "K" at 22.205,28.014 h0.6 r90; M13 (CMP_Body_OTL_Top) "A" at 22.179,28.979 h0.6 r90; Top Overlay "K" at 21.6,26.4 h1; Top Overlay "A" at 21.6,30 h1
D807: M13 (CMP_Body_OTL_Top) "K" at 22.266,32.873 h0.6 r90; M13 (CMP_Body_OTL_Top) "A" at 22.24,33.838 h0.6 r90; Top Overlay "K" at 21.661,31.259 h1; Top Overlay "A" at 21.661,34.859 h1
D808: M13 (CMP_Body_OTL_Top) "A" at 22.279,38.679 h0.6 r90; M13 (CMP_Body_OTL_Top) "K" at 22.305,37.714 h0.6 r90; Top Overlay "A" at 21.7,39.7 h1; Top Overlay "K" at 21.8,36.1 h1
R211: M13 (CMP_Body_OTL_Top) "V" at 58.542,100.531 h0.4 r180; M13 (CMP_Body_OTL_Top) "I" at 58.466,101.395 h0.4 r180; M13 (CMP_Body_OTL_Top) "I" at 60.905,101.42 h0.4 r180; M13 (CMP_Body_OTL_Top) "V" at 60.955,100.582 h0.4 r180; Top Overlay "I" at 56.685,101.56 h0.4 r180; Top Overlay "I" at 62.685,102.06 h0.4 r180; Top Overlay "V" at 62.785,99.96 h0.4 r180; Top Overlay "V" at 56.685,100.06 h0.4 r180
SHUNT: M13 (CMP_Body_OTL_Top) "V" at 74.805,66.978 h0.4; M13 (CMP_Body_OTL_Top) "I" at 74.855,66.14 h0.4; M13 (CMP_Body_OTL_Top) "I" at 77.294,66.165 h0.4; M13 (CMP_Body_OTL_Top) "V" at 77.218,67.029 h0.4; Top Overlay "V" at 79.3,67.5 h0.4; Top Overlay "I" at 79.377,66.1 h0.4; Top Overlay "I" at 72.696,66.1 h0.4; Top Overlay "V" at 72.633,67.5 h0.4
X110: M12 (Dimension_Bot) "1" at 75.716,51.264 h1.2 r90; M12 (Dimension_Bot) "1" at 103.656,51.213 h1.2 r90; M12 (Dimension_Bot) "1" at 108.66,-0.883 h1.2 r90; M12 (Dimension_Bot) "1" at 60.451,0.413 h1.2 r90